# Altium PCB Board.PcbDoc (part 6 of 7)
Units mil, origin at the board's own origin, x right, y up, seen from the top; angles counter-clockwise.
Board outline 7091.76 x 4731.03 mil, 4 copper layers (Top Layer, GND, VCC, Bottom Layer); 297 components, 197 nets, 1031 pads, 468 vias.
Unrouted connection lines stored in the file: 1.
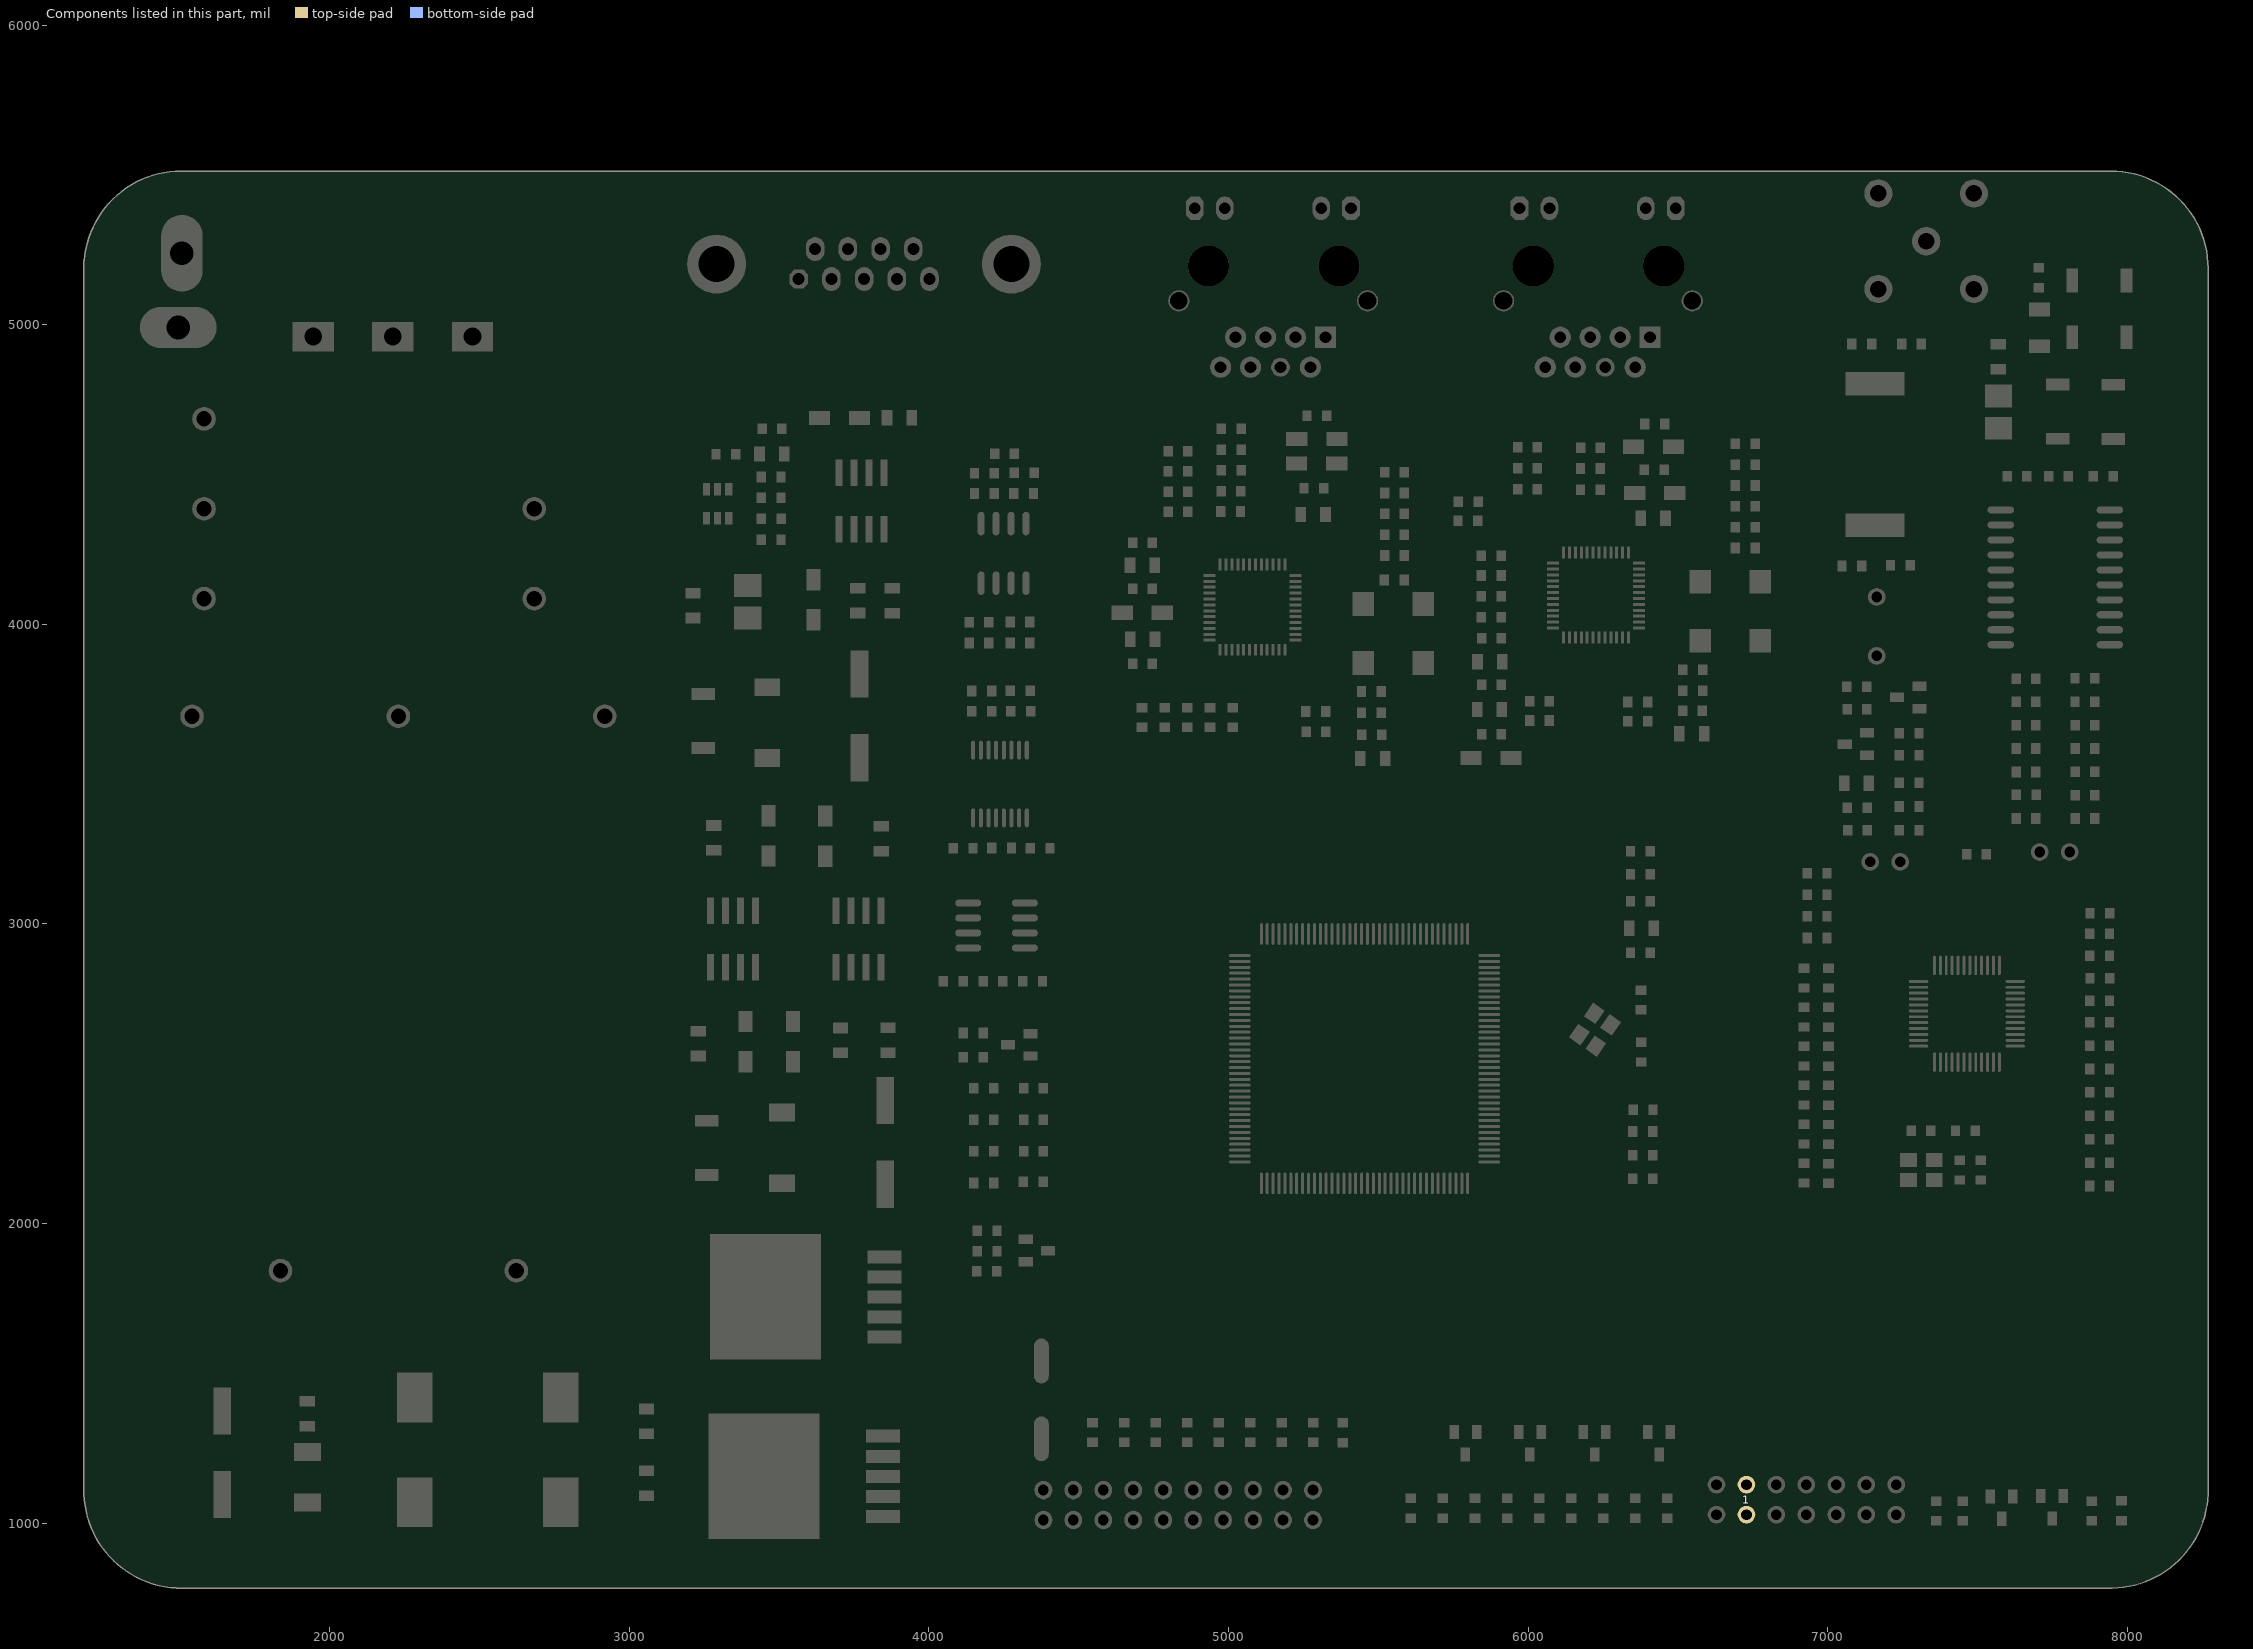
[diagram p8: the components of this part, seen from the top]

## Via types
v1: diameter 20, hole 12, Top Layer to Bottom Layer, 399 vias
v2: diameter 30, hole 16, Top Layer to Bottom Layer, 68 vias
v3: diameter 25, hole 15, Top Layer to Bottom Layer, 1 vias

## Nets (pads, with @x,y where several pads share a name; then routed paths per layer and width w, separated by ;. In a path a pad name is that pad's centre, name@x,y a point inside that pad or via, vN(x,y) a via of type N, cw(c..) or ccw(c..) an arc to the next point about the centre after c; other vN are vias at no path point) (continued)
copper on no net: (continued)
  Top Layer w2.07: 7370.58,1261.96 7485.12,1261.96 ; 7370.58,1264.03 7485.12,1264.03 ; 7370.58,1266.1 7485.12,1266.1 ; 7370.58,1268.17 7485.12,1268.17 ; 7370.58,1270.24 7485.12,1270.24 ; 7370.58,1272.31 7485.12,1272.31 ; 7370.58,1274.38 7485.12,1274.38 ; 7370.58,1276.45 7485.12,1276.45 ; 7370.58,1278.52 7385.76,1278.52 ; 7370.58,1280.59 7385.76,1280.59 ; 7370.58,1282.66 7385.76,1282.66 ; 7370.58,1284.73 7385.76,1284.73 ; 7370.58,1286.8 7385.76,1286.8 ; 7370.58,1288.87 7385.76,1288.87 ; 7370.58,1290.94 7385.76,1290.94 ; 7370.58,1293.01 7385.76,1293.01 ; 7370.58,1295.08 7385.76,1295.08 ; 7370.58,1297.15 7385.76,1297.15 ; 7370.58,1299.22 7385.76,1299.22 ; 7370.58,1301.29 7385.76,1301.29 ; 7370.58,1303.36 7385.76,1303.36 ; 7370.58,1305.43 7385.76,1305.43 ; 7370.58,1307.5 7385.76,1307.5 ; 7370.58,1309.57 7385.76,1309.57 ; 7370.58,1311.64 7385.76,1311.64 ; 7370.58,1313.71 7385.76,1313.71 ; 7370.58,1315.78 7385.76,1315.78 ; 7370.58,1317.85 7385.76,1317.85 ; 7370.58,1319.92 7385.76,1319.92 ; 7370.58,1321.99 7385.76,1321.99 ; 7370.58,1324.06 7385.76,1324.06 ; 7370.58,1326.13 7385.76,1326.13 ; 7370.58,1328.2 7385.76,1328.2 ; 7370.58,1330.27 7385.76,1330.27 ; 7370.58,1332.34 7385.76,1332.34 ; 7370.58,1334.41 7385.76,1334.41 ; 7370.58,1336.48 7385.76,1336.48 ; 7370.58,1338.55 7385.76,1338.55 ; 7370.58,1340.62 7385.76,1340.62 ; 7370.58,1342.69 7385.76,1342.69 ; 7370.58,1344.76 7385.76,1344.76 ; 7370.58,1346.83 7385.76,1346.83 ; 7370.58,1348.9 7385.76,1348.9 ; 7370.58,1350.97 7385.76,1350.97 ; 7370.58,1353.04 7385.76,1353.04 ; 7370.58,1355.11 7385.76,1355.11 ; 7370.58,1357.18 7385.76,1357.18 ; 7370.58,1359.25 7385.76,1359.25 ; 7370.58,1361.32 7485.12,1361.32 ; 7370.58,1363.39 7485.12,1363.39 ; 7370.58,1365.46 7485.12,1365.46 ; 7370.58,1367.53 7485.12,1367.53 ; 7370.58,1369.6 7485.12,1369.6 ; 7370.58,1371.67 7485.12,1371.67 ; 7370.58,1373.74 7485.12,1373.74 ; 7370.58,1375.81 7485.12,1375.81 ; 7370.58,1394.44 7435.44,1394.44 ; 7370.58,1396.51 7435.44,1396.51 ; 7370.58,1398.58 7435.44,1398.58 ; 7370.58,1400.65 7435.44,1400.65 ; 7370.58,1402.72 7435.44,1402.72 ; 7370.58,1404.79 7435.44,1404.79 ; 7370.58,1406.86 7435.44,1406.86 ; 7370.58,1408.93 7435.44,1408.93 ; 7370.58,1411 7385.76,1411 ; 7370.58,1413.07 7385.76,1413.07 ; 7370.58,1415.14 7385.76,1415.14 ; 7370.58,1417.21 7385.76,1417.21 ; 7370.58,1419.28 7385.76,1419.28 ; 7370.58,1421.35 7385.76,1421.35 ; 7370.58,1423.42 7385.76,1423.42 ; 7370.58,1425.49 7385.76,1425.49 ; 7370.58,1427.56 7385.76,1427.56 ; 7370.58,1429.63 7385.76,1429.63 ; 7370.58,1431.7 7385.76,1431.7 ; 7370.58,1433.77 7385.76,1433.77 ; 7370.58,1435.84 7385.76,1435.84 ; 7370.58,1437.91 7385.76,1437.91 ; 7370.58,1439.98 7385.76,1439.98 ; 7370.58,1442.05 7385.76,1442.05 ; 7370.58,1444.12 7385.76,1444.12 ; 7370.58,1446.19 7385.76,1446.19 ; 7370.58,1448.26 7385.76,1448.26 ; 7370.58,1450.33 7385.76,1450.33 ; 7370.58,1452.4 7385.76,1452.4 ; 7370.58,1454.47 7385.76,1454.47 ; 7370.58,1456.54 7385.76,1456.54 ; 7370.58,1458.61 7385.76,1458.61 ; 7370.58,1477.24 7402.32,1477.24 ; 7370.58,1479.31 7402.32,1479.31 ; 7370.58,1481.38 7402.32,1481.38 ; 7370.58,1483.45 7402.32,1483.45 ; 7370.58,1485.52 7402.32,1485.52 ; 7370.58,1487.59 7402.32,1487.59 ; 7370.58,1489.66 7402.32,1489.66 ; 7370.58,1491.73 7402.32,1491.73 ; 7370.58,1526.92 7385.76,1526.92 ; 7370.58,1528.99 7385.76,1528.99 ; 7370.58,1531.06 7385.76,1531.06 ; 7370.58,1533.13 7385.76,1533.13 ; 7370.58,1535.2 7385.76,1535.2 ; 7370.58,1537.27 7385.76,1537.27 ; 7370.58,1539.34 7385.76,1539.34 ; 7370.58,1541.41 7385.76,1541.41 ; 7370.58,1543.48 7402.32,1543.48 ; 7370.58,1545.55 7402.32,1545.55 ; 7370.58,1547.62 7402.32,1547.62 ; 7370.58,1549.69 7402.32,1549.69 ; 7370.58,1551.76 7402.32,1551.76 ; 7370.58,1553.83 7402.32,1553.83 ; 7370.58,1555.9 7402.32,1555.9 ; 7370.58,1557.97 7402.32,1557.97 ; 7370.58,1576.6 7402.32,1576.6 ; 7370.58,1578.67 7402.32,1578.67 ; 7370.58,1580.74 7402.32,1580.74 ; 7370.58,1582.81 7402.32,1582.81 ; 7370.58,1584.88 7402.32,1584.88 ; 7370.58,1586.95 7402.32,1586.95 ; 7370.58,1589.02 7402.32,1589.02 ; 7370.58,1591.09 7402.32,1591.09 ; 7370.58,1593.16 7402.32,1593.16 ; 7370.58,1595.23 7402.32,1595.23 ; 7370.58,1597.3 7402.32,1597.3 ; 7370.58,1599.37 7402.32,1599.37 ; 7370.58,1601.44 7402.32,1601.44 ; 7370.58,1603.51 7402.32,1603.51 ; 7370.58,1605.58 7402.32,1605.58 ; 7370.58,1607.65 7402.32,1607.65 ; 7370.58,1609.72 7402.32,1609.72 ; 7370.58,1611.79 7402.32,1611.79 ; 7370.58,1613.86 7402.32,1613.86 ; 7370.58,1615.93 7402.32,1615.93 ; 7370.58,1618 7402.32,1618 ; 7370.58,1620.07 7402.32,1620.07 ; 7370.58,1622.14 7402.32,1622.14 ; 7370.58,1624.21 7402.32,1624.21 ; 7370.58,1626.28 7385.76,1626.28 ; 7370.58,1628.35 7385.76,1628.35 ; 7370.58,1630.42 7385.76,1630.42 ; 7370.58,1632.49 7385.76,1632.49 ; 7370.58,1634.56 7385.76,1634.56 ; 7370.58,1636.63 7385.76,1636.63 ; 7370.58,1638.7 7385.76,1638.7 ; 7370.58,1640.77 7385.76,1640.77 ; 7370.58,1642.84 7435.44,1642.84 ; 7370.58,1644.91 7435.44,1644.91 ; 7370.58,1646.98 7435.44,1646.98 ; 7370.58,1649.05 7435.44,1649.05 ; 7370.58,1651.12 7435.44,1651.12 ; 7370.58,1653.19 7435.44,1653.19 ; 7370.58,1655.26 7435.44,1655.26 ; 7370.58,1657.33 7435.44,1657.33 ; 7370.58,1692.52 7485.12,1692.52 ; 7370.58,1694.59 7485.12,1694.59 ; 7370.58,1696.66 7485.12,1696.66 ; 7370.58,1698.73 7485.12,1698.73 ; 7370.58,1700.8 7485.12,1700.8 ; 7370.58,1702.87 7485.12,1702.87 ; 7370.58,1704.94 7485.12,1704.94 ; 7370.58,1707.01 7485.12,1707.01 ; 7370.58,1709.08 7385.76,1709.08 ; 7370.58,1711.15 7385.76,1711.15 ; 7370.58,1713.22 7385.76,1713.22 ; 7370.58,1715.29 7385.76,1715.29 ; 7370.58,1717.36 7385.76,1717.36 ; 7370.58,1719.43 7385.76,1719.43 ; 7370.58,1721.5 7385.76,1721.5 ; 7370.58,1723.57 7385.76,1723.57 ; 7370.58,1725.64 7385.76,1725.64 ; 7370.58,1727.71 7385.76,1727.71 ; 7370.58,1729.78 7385.76,1729.78 ; 7370.58,1731.85 7385.76,1731.85 ; 7370.58,1733.92 7385.76,1733.92 ; 7370.58,1735.99 7385.76,1735.99 ; 7370.58,1738.06 7385.76,1738.06 ; 7370.58,1740.13 7385.76,1740.13 ; 7370.58,1742.2 7385.76,1742.2 ; 7370.58,1744.27 7385.76,1744.27 ; 7370.58,1746.34 7385.76,1746.34 ; 7370.58,1748.41 7385.76,1748.41 ; 7370.58,1750.48 7385.76,1750.48 ; 7370.58,1752.55 7385.76,1752.55 ; 7370.58,1754.62 7385.76,1754.62 ; 7370.58,1756.69 7385.76,1756.69 ; 7370.58,1758.76 7385.76,1758.76 ; 7370.58,1760.83 7385.76,1760.83 ; 7370.58,1762.9 7385.76,1762.9 ; 7370.58,1764.97 7385.76,1764.97 ; 7370.58,1767.04 7385.76,1767.04 ; 7370.58,1769.11 7385.76,1769.11 ; 7370.58,1771.18 7385.76,1771.18 ; 7370.58,1773.25 7385.76,1773.25 ; 7370.58,1775.32 7385.76,1775.32 ; 7370.58,1777.39 7385.76,1777.39 ; 7370.58,1779.46 7385.76,1779.46 ; 7370.58,1781.53 7385.76,1781.53 ; 7370.58,1783.6 7385.76,1783.6 ; 7370.58,1785.67 7385.76,1785.67 ; 7370.58,1787.74 7385.76,1787.74 ; 7370.58,1789.81 7385.76,1789.81 ; 7370.58,1791.88 7485.12,1791.88 ; 7370.58,1793.95 7485.12,1793.95 ; 7370.58,1796.02 7485.12,1796.02 ; 7370.58,1798.09 7485.12,1798.09 ; 7370.58,1800.16 7485.12,1800.16 ; 7370.58,1802.23 7485.12,1802.23 ; 7370.58,1804.3 7485.12,1804.3 ; 7370.58,1806.37 7485.12,1806.37 ; 7387.14,1460.68 7418.88,1460.68 ; 7387.14,1462.75 7418.88,1462.75 ; 7387.14,1464.82 7418.88,1464.82 ; 7387.14,1466.89 7418.88,1466.89 ; 7387.14,1468.96 7418.88,1468.96 ; 7387.14,1471.03 7418.88,1471.03 ; 7387.14,1473.1 7418.88,1473.1 ; 7387.14,1475.17 7418.88,1475.17 ; 7387.14,1510.36 7402.32,1510.36 ; 7387.14,1512.43 7402.32,1512.43 ; 7387.14,1514.5 7402.32,1514.5 ; 7387.14,1516.57 7402.32,1516.57 ; 7387.14,1518.64 7402.32,1518.64 ; 7387.14,1520.71 7402.32,1520.71 ; 7387.14,1522.78 7402.32,1522.78 ; 7387.14,1524.85 7402.32,1524.85 ; 7403.7,1295.08 7452,1295.08 ; 7403.7,1297.15 7452,1297.15 ; 7403.7,1299.22 7452,1299.22 ; 7403.7,1301.29 7452,1301.29 ; 7403.7,1303.36 7452,1303.36 ; 7403.7,1305.43 7452,1305.43 ; 7403.7,1307.5 7452,1307.5 ; 7403.7,1309.57 7452,1309.57 ; 7403.7,1311.64 7452,1311.64 ; 7403.7,1313.71 7452,1313.71 ; 7403.7,1315.78 7452,1315.78 ; 7403.7,1317.85 7452,1317.85 ; 7403.7,1319.92 7452,1319.92 ; 7403.7,1321.99 7452,1321.99 ; 7403.7,1324.06 7452,1324.06 ; 7403.7,1326.13 7452,1326.13 ; 7403.7,1328.2 7452,1328.2 ; 7403.7,1330.27 7452,1330.27 ; 7403.7,1332.34 7452,1332.34 ; 7403.7,1334.41 7452,1334.41 ; 7403.7,1336.48 7452,1336.48 ; 7403.7,1338.55 7452,1338.55 ; 7403.7,1340.62 7452,1340.62 ; 7403.7,1342.69 7452,1342.69 ; 7403.7,1427.56 7418.88,1427.56 ; 7403.7,1429.63 7418.88,1429.63 ; 7403.7,1431.7 7418.88,1431.7 ; 7403.7,1433.77 7418.88,1433.77 ; 7403.7,1435.84 7418.88,1435.84 ; 7403.7,1437.91 7418.88,1437.91 ; 7403.7,1439.98 7418.88,1439.98 ; 7403.7,1442.05 7418.88,1442.05 ; 7403.7,1444.12 7452,1444.12 ; 7403.7,1446.19 7452,1446.19 ; 7403.7,1448.26 7452,1448.26 ; 7403.7,1450.33 7452,1450.33 ; 7403.7,1452.4 7452,1452.4 ; 7403.7,1454.47 7452,1454.47 ; 7403.7,1456.54 7452,1456.54 ; 7403.7,1458.61 7452,1458.61 ; 7403.7,1725.64 7452,1725.64 ; 7403.7,1727.71 7452,1727.71 ; 7403.7,1729.78 7452,1729.78 ; 7403.7,1731.85 7452,1731.85 ; 7403.7,1733.92 7452,1733.92 ; 7403.7,1735.99 7452,1735.99 ; 7403.7,1738.06 7452,1738.06 ; 7403.7,1740.13 7452,1740.13 ; 7403.7,1742.2 7452,1742.2 ; 7403.7,1744.27 7452,1744.27 ; 7403.7,1746.34 7452,1746.34 ; 7403.7,1748.41 7452,1748.41 ; 7403.7,1750.48 7452,1750.48 ; 7403.7,1752.55 7452,1752.55 ; 7403.7,1754.62 7452,1754.62 ; 7403.7,1756.69 7452,1756.69 ; 7403.7,1758.76 7452,1758.76 ; 7403.7,1760.83 7452,1760.83 ; 7403.7,1762.9 7452,1762.9 ; 7403.7,1764.97 7452,1764.97 ; 7403.7,1767.04 7452,1767.04 ; 7403.7,1769.11 7452,1769.11 ; 7403.7,1771.18 7452,1771.18 ; 7403.7,1773.25 7452,1773.25 ; 7420.26,1493.8 7452,1493.8 ; 7420.26,1495.87 7452,1495.87 ; 7420.26,1497.94 7452,1497.94 ; 7420.26,1500.01 7452,1500.01 ; 7420.26,1502.08 7452,1502.08 ; 7420.26,1504.15 7452,1504.15 ; 7420.26,1506.22 7452,1506.22 ; 7420.26,1508.29 7452,1508.29 ; 7420.26,1543.48 7435.44,1543.48 ; 7420.26,1545.55 7435.44,1545.55 ; 7420.26,1547.62 7435.44,1547.62 ; 7420.26,1549.69 7435.44,1549.69 ; 7420.26,1551.76 7435.44,1551.76 ; 7420.26,1553.83 7435.44,1553.83 ; 7420.26,1555.9 7435.44,1555.9 ; 7420.26,1557.97 7435.44,1557.97 ; 7420.26,1560.04 7435.44,1560.04 ; 7420.26,1562.11 7435.44,1562.11 ; 7420.26,1564.18 7435.44,1564.18 ; 7420.26,1566.25 7435.44,1566.25 ; 7420.26,1568.32 7435.44,1568.32 ; 7420.26,1570.39 7435.44,1570.39 ; 7420.26,1572.46 7435.44,1572.46 ; 7420.26,1574.53 7435.44,1574.53 ; 7420.26,1576.6 7452,1576.6 ; 7420.26,1578.67 7452,1578.67 ; 7420.26,1580.74 7452,1580.74 ; 7420.26,1582.81 7452,1582.81 ; 7420.26,1584.88 7452,1584.88 ; 7420.26,1586.95 7452,1586.95 ; 7420.26,1589.02 7452,1589.02 ; 7420.26,1591.09 7452,1591.09 ; 7420.26,1609.72 7435.44,1609.72 ; 7420.26,1611.79 7435.44,1611.79 ; 7420.26,1613.86 7435.44,1613.86 ; 7420.26,1615.93 7435.44,1615.93 ; 7420.26,1618 7435.44,1618 ; 7420.26,1620.07 7435.44,1620.07 ; 7420.26,1622.14 7435.44,1622.14 ; 7420.26,1624.21 7435.44,1624.21 ; 7420.26,1626.28 7452,1626.28 ; 7420.26,1628.35 7452,1628.35 ; 7420.26,1630.42 7452,1630.42 ; 7420.26,1632.49 7452,1632.49 ; 7420.26,1634.56 7452,1634.56 ; 7420.26,1636.63 7452,1636.63 ; 7420.26,1638.7 7452,1638.7 ; 7420.26,1640.77 7452,1640.77 ; 7420.26,1659.4 7452,1659.4 ; 7420.26,1661.47 7452,1661.47 ; 7420.26,1663.54 7452,1663.54 ; 7420.26,1665.61 7452,1665.61 ; 7420.26,1667.68 7452,1667.68 ; 7420.26,1669.75 7452,1669.75 ; 7420.26,1671.82 7452,1671.82 ; 7420.26,1673.89 7452,1673.89 ; 7436.82,1411 7452,1411 ; 7436.82,1413.07 7452,1413.07 ; 7436.82,1415.14 7452,1415.14 ; 7436.82,1417.21 7452,1417.21 ; 7436.82,1419.28 7452,1419.28 ; 7436.82,1421.35 7452,1421.35 ; 7436.82,1423.42 7452,1423.42 ; 7436.82,1425.49 7452,1425.49 ; 7436.82,1427.56 7452,1427.56 ; 7436.82,1429.63 7452,1429.63 ; 7436.82,1431.7 7452,1431.7 ; 7436.82,1433.77 7452,1433.77 ; 7436.82,1435.84 7452,1435.84 ; 7436.82,1437.91 7452,1437.91 ; 7436.82,1439.98 7452,1439.98 ; 7436.82,1442.05 7452,1442.05 ; 7436.82,1526.92 7452,1526.92 ; 7436.82,1528.99 7452,1528.99 ; 7436.82,1531.06 7452,1531.06 ; 7436.82,1533.13 7452,1533.13 ; 7436.82,1535.2 7452,1535.2 ; 7436.82,1537.27 7452,1537.27 ; 7436.82,1539.34 7452,1539.34 ; 7436.82,1541.41 7452,1541.41 ; 7453.38,1394.44 7485.12,1394.44 ; 7453.38,1396.51 7485.12,1396.51 ; 7453.38,1398.58 7485.12,1398.58 ; 7453.38,1400.65 7485.12,1400.65 ; 7453.38,1402.72 7485.12,1402.72 ; 7453.38,1404.79 7485.12,1404.79 ; 7453.38,1406.86 7485.12,1406.86 ; 7453.38,1408.93 7485.12,1408.93 ; 7453.38,1477.24 7468.56,1477.24 ; 7453.38,1479.31 7468.56,1479.31 ; 7453.38,1481.38 7468.56,1481.38 ; 7453.38,1483.45 7468.56,1483.45 ; 7453.38,1485.52 7468.56,1485.52 ; 7453.38,1487.59 7468.56,1487.59 ; 7453.38,1489.66 7468.56,1489.66 ; 7453.38,1491.73 7468.56,1491.73 ; 7453.38,1543.48 7468.56,1543.48 ; 7453.38,1545.55 7468.56,1545.55 ; 7453.38,1547.62 7468.56,1547.62 ; 7453.38,1549.69 7468.56,1549.69 ; 7453.38,1551.76 7468.56,1551.76 ; 7453.38,1553.83 7468.56,1553.83 ; 7453.38,1555.9 7468.56,1555.9 ; 7453.38,1557.97 7468.56,1557.97 ; 7453.38,1560.04 7485.12,1560.04 ; 7453.38,1562.11 7485.12,1562.11 ; 7453.38,1564.18 7485.12,1564.18 ; 7453.38,1566.25 7485.12,1566.25 ; 7453.38,1568.32 7485.12,1568.32 ; 7453.38,1570.39 7485.12,1570.39 ; 7453.38,1572.46 7485.12,1572.46 ; 7453.38,1574.53 7485.12,1574.53 ; 7453.38,1593.16 7534.8,1593.16 ; 7453.38,1595.23 7534.8,1595.23 ; 7453.38,1597.3 7534.8,1597.3 ; 7453.38,1599.37 7534.8,1599.37 ; 7453.38,1601.44 7534.8,1601.44 ; 7453.38,1603.51 7534.8,1603.51 ; 7453.38,1605.58 7534.8,1605.58 ; 7453.38,1607.65 7534.8,1607.65 ; 7453.38,1609.72 7468.56,1609.72 ; 7453.38,1611.79 7468.56,1611.79 ; 7453.38,1613.86 7468.56,1613.86 ; 7453.38,1615.93 7468.56,1615.93 ; 7453.38,1618 7468.56,1618 ; 7453.38,1620.07 7468.56,1620.07 ; 7453.38,1622.14 7468.56,1622.14 ; 7453.38,1624.21 7468.56,1624.21 ; 7469.94,1278.52 7485.12,1278.52 ; 7469.94,1280.59 7485.12,1280.59 ; 7469.94,1282.66 7485.12,1282.66 ; 7469.94,1284.73 7485.12,1284.73 ; 7469.94,1286.8 7485.12,1286.8 ; 7469.94,1288.87 7485.12,1288.87 ; 7469.94,1290.94 7485.12,1290.94 ; 7469.94,1293.01 7485.12,1293.01 ; 7469.94,1295.08 7485.12,1295.08 ; 7469.94,1297.15 7485.12,1297.15 ; 7469.94,1299.22 7485.12,1299.22 ; 7469.94,1301.29 7485.12,1301.29 ; 7469.94,1303.36 7485.12,1303.36 ; 7469.94,1305.43 7485.12,1305.43 ; 7469.94,1307.5 7485.12,1307.5 ; 7469.94,1309.57 7485.12,1309.57 ; 7469.94,1311.64 7485.12,1311.64 ; 7469.94,1313.71 7485.12,1313.71 ; 7469.94,1315.78 7485.12,1315.78 ; 7469.94,1317.85 7485.12,1317.85 ; 7469.94,1319.92 7485.12,1319.92 ; 7469.94,1321.99 7485.12,1321.99 ; 7469.94,1324.06 7485.12,1324.06 ; 7469.94,1326.13 7485.12,1326.13 ; 7469.94,1328.2 7485.12,1328.2 ; 7469.94,1330.27 7485.12,1330.27 ; 7469.94,1332.34 7485.12,1332.34 ; 7469.94,1334.41 7485.12,1334.41 ; 7469.94,1336.48 7485.12,1336.48 ; 7469.94,1338.55 7485.12,1338.55 ; 7469.94,1340.62 7485.12,1340.62 ; 7469.94,1342.69 7485.12,1342.69 ; 7469.94,1344.76 7485.12,1344.76 ; 7469.94,1346.83 7485.12,1346.83 ; 7469.94,1348.9 7485.12,1348.9 ; 7469.94,1350.97 7485.12,1350.97 ; 7469.94,1353.04 7485.12,1353.04 ; 7469.94,1355.11 7485.12,1355.11 ; 7469.94,1357.18 7485.12,1357.18 ; 7469.94,1359.25 7485.12,1359.25 ; 7469.94,1427.56 7534.8,1427.56 ; 7469.94,1429.63 7534.8,1429.63 ; 7469.94,1431.7 7534.8,1431.7 ; 7469.94,1433.77 7534.8,1433.77 ; 7469.94,1435.84 7534.8,1435.84 ; 7469.94,1437.91 7534.8,1437.91 ; 7469.94,1439.98 7534.8,1439.98 ; 7469.94,1442.05 7534.8,1442.05 ; 7469.94,1460.68 7501.68,1460.68 ; 7469.94,1462.75 7501.68,1462.75 ; 7469.94,1464.82 7501.68,1464.82 ; 7469.94,1466.89 7501.68,1466.89 ; 7469.94,1468.96 7501.68,1468.96 ; 7469.94,1471.03 7501.68,1471.03 ; 7469.94,1473.1 7501.68,1473.1 ; 7469.94,1475.17 7501.68,1475.17 ; 7469.94,1493.8 7485.12,1493.8 ; 7469.94,1495.87 7485.12,1495.87 ; 7469.94,1497.94 7485.12,1497.94 ; 7469.94,1500.01 7485.12,1500.01 ; 7469.94,1502.08 7485.12,1502.08 ; 7469.94,1504.15 7485.12,1504.15 ; 7469.94,1506.22 7485.12,1506.22 ; 7469.94,1508.29 7485.12,1508.29 ; 7469.94,1526.92 7501.68,1526.92 ; 7469.94,1528.99 7501.68,1528.99 ; 7469.94,1531.06 7501.68,1531.06 ; 7469.94,1533.13 7501.68,1533.13 ; 7469.94,1535.2 7501.68,1535.2 ; 7469.94,1537.27 7501.68,1537.27 ; 7469.94,1539.34 7501.68,1539.34 ; 7469.94,1541.41 7501.68,1541.41 ; 7469.94,1626.28 7501.68,1626.28 ; 7469.94,1628.35 7501.68,1628.35 ; 7469.94,1630.42 7501.68,1630.42 ; 7469.94,1632.49 7501.68,1632.49 ; 7469.94,1634.56 7501.68,1634.56 ; 7469.94,1636.63 7501.68,1636.63 ; 7469.94,1638.7 7501.68,1638.7 ; 7469.94,1640.77 7501.68,1640.77 ; 7469.94,1659.4 7501.68,1659.4 ; 7469.94,1661.47 7501.68,1661.47 ; 7469.94,1663.54 7501.68,1663.54 ; 7469.94,1665.61 7501.68,1665.61 ; 7469.94,1667.68 7501.68,1667.68 ; 7469.94,1669.75 7501.68,1669.75 ; 7469.94,1671.82 7501.68,1671.82 ; 7469.94,1673.89 7501.68,1673.89 ; 7469.94,1709.08 7485.12,1709.08 ; 7469.94,1711.15 7485.12,1711.15 ; 7469.94,1713.22 7485.12,1713.22 ; 7469.94,1715.29 7485.12,1715.29 ; 7469.94,1717.36 7485.12,1717.36 ; 7469.94,1719.43 7485.12,1719.43 ; 7469.94,1721.5 7485.12,1721.5 ; 7469.94,1723.57 7485.12,1723.57 ; 7469.94,1725.64 7485.12,1725.64 ; 7469.94,1727.71 7485.12,1727.71 ; 7469.94,1729.78 7485.12,1729.78 ; 7469.94,1731.85 7485.12,1731.85 ; 7469.94,1733.92 7485.12,1733.92 ; 7469.94,1735.99 7485.12,1735.99 ; 7469.94,1738.06 7485.12,1738.06 ; 7469.94,1740.13 7485.12,1740.13 ; 7469.94,1742.2 7485.12,1742.2 ; 7469.94,1744.27 7485.12,1744.27 ; 7469.94,1746.34 7485.12,1746.34 ; 7469.94,1748.41 7485.12,1748.41 ; 7469.94,1750.48 7485.12,1750.48 ; 7469.94,1752.55 7485.12,1752.55 ; 7469.94,1754.62 7485.12,1754.62 ; 7469.94,1756.69 7485.12,1756.69 ; 7469.94,1758.76 7485.12,1758.76 ; 7469.94,1760.83 7485.12,1760.83 ; 7469.94,1762.9 7485.12,1762.9 ; 7469.94,1764.97 7485.12,1764.97 ; 7469.94,1767.04 7485.12,1767.04 ; 7469.94,1769.11 7485.12,1769.11 ; 7469.94,1771.18 7485.12,1771.18 ; 7469.94,1773.25 7485.12,1773.25 ; 7469.94,1775.32 7485.12,1775.32 ; 7469.94,1777.39 7485.12,1777.39 ; 7469.94,1779.46 7485.12,1779.46 ; 7469.94,1781.53 7485.12,1781.53 ; 7469.94,1783.6 7485.12,1783.6 ; 7469.94,1785.67 7485.12,1785.67 ; 7469.94,1787.74 7485.12,1787.74 ; 7469.94,1789.81 7485.12,1789.81 ; 7486.5,1543.48 7501.68,1543.48 ; 7486.5,1545.55 7501.68,1545.55 ; 7486.5,1547.62 7501.68,1547.62 ; 7486.5,1549.69 7501.68,1549.69 ; 7486.5,1551.76 7501.68,1551.76 ; 7486.5,1553.83 7501.68,1553.83 ; 7486.5,1555.9 7501.68,1555.9 ; 7486.5,1557.97 7501.68,1557.97 ; 7486.5,1609.72 7501.68,1609.72 ; 7486.5,1611.79 7501.68,1611.79 ; 7486.5,1613.86 7501.68,1613.86 ; 7486.5,1615.93 7501.68,1615.93 ; 7486.5,1618 7501.68,1618 ; 7486.5,1620.07 7501.68,1620.07 ; 7486.5,1622.14 7501.68,1622.14 ; 7486.5,1624.21 7501.68,1624.21 ; 7486.5,1642.84 7501.68,1642.84 ; 7486.5,1644.91 7501.68,1644.91 ; 7486.5,1646.98 7501.68,1646.98 ; 7486.5,1649.05 7501.68,1649.05 ; 7486.5,1651.12 7501.68,1651.12 ; 7486.5,1653.19 7501.68,1653.19 ; 7486.5,1655.26 7501.68,1655.26 ; 7486.5,1657.33 7501.68,1657.33 ; 7503.06,1311.64 7567.92,1311.64 ; 7503.06,1313.71 7567.92,1313.71 ; 7503.06,1315.78 7567.92,1315.78 ; 7503.06,1317.85 7567.92,1317.85 ; 7503.06,1319.92 7567.92,1319.92 ; 7503.06,1321.99 7567.92,1321.99 ; 7503.06,1324.06 7567.92,1324.06 ; 7503.06,1326.13 7567.92,1326.13 ; 7503.06,1328.2 7567.92,1328.2 ; 7503.06,1330.27 7567.92,1330.27 ; 7503.06,1332.34 7567.92,1332.34 ; 7503.06,1334.41 7567.92,1334.41 ; 7503.06,1336.48 7567.92,1336.48 ; 7503.06,1338.55 7567.92,1338.55 ; 7503.06,1340.62 7567.92,1340.62 ; 7503.06,1342.69 7567.92,1342.69 ; 7503.06,1361.32 7518.24,1361.32 ; 7503.06,1363.39 7518.24,1363.39 ; 7503.06,1365.46 7518.24,1365.46 ; 7503.06,1367.53 7518.24,1367.53 ; 7503.06,1369.6 7518.24,1369.6 ; 7503.06,1371.67 7518.24,1371.67 ; 7503.06,1373.74 7518.24,1373.74 ; 7503.06,1375.81 7518.24,1375.81 ; 7503.06,1377.88 7518.24,1377.88 ; 7503.06,1379.95 7518.24,1379.95 ; 7503.06,1382.02 7518.24,1382.02 ; 7503.06,1384.09 7518.24,1384.09 ; 7503.06,1386.16 7518.24,1386.16 ; 7503.06,1388.23 7518.24,1388.23 ; 7503.06,1390.3 7518.24,1390.3 ; 7503.06,1392.37 7518.24,1392.37 ; 7503.06,1394.44 7518.24,1394.44 ; 7503.06,1396.51 7518.24,1396.51 ; 7503.06,1398.58 7518.24,1398.58 ; 7503.06,1400.65 7518.24,1400.65 ; 7503.06,1402.72 7518.24,1402.72 